# KiCad board ABG-K7072.kicad_pcb (continued)
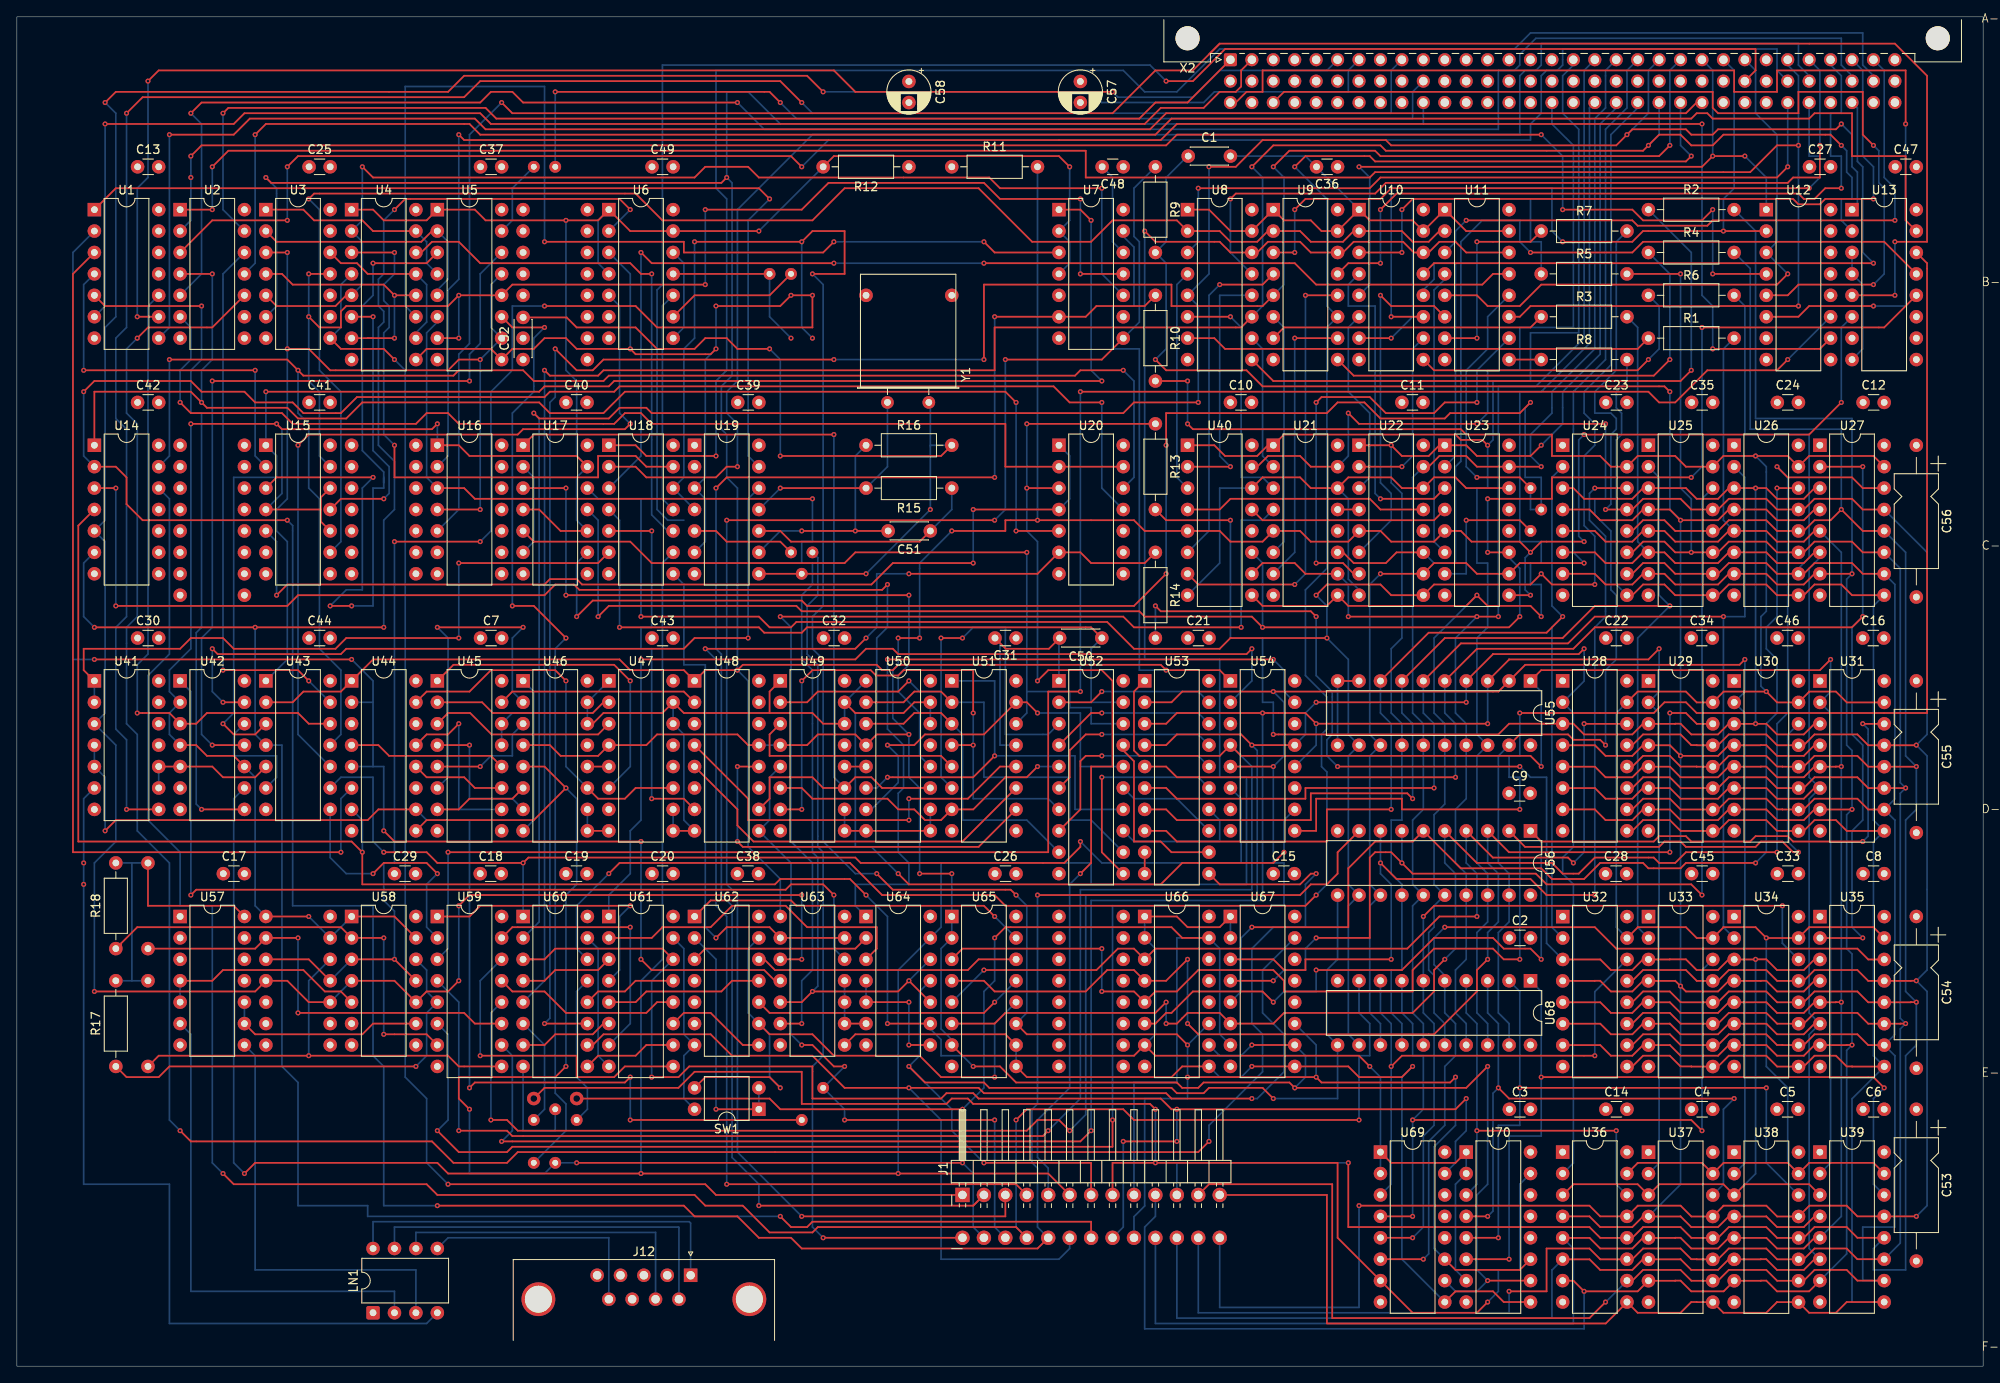
[diagram p0: board, top side]
## Nets
+5V: C2.1 C3.1 C4.1 C5.1 C6.1 C7.1 C8.1 C9.1 C10.1 C11.1 C12.1 C13.1 C14.1 C15.1 C16.1 C17.1 C18.1 C19.1 C20.1 C21.1 C22.1 C23.1 C24.1 C25.1 C26.1 C27.1 C28.1 C29.1 C30.1 C31.1 C32.1 C33.1 C34.1 C35.1 C36.1 C37.1 C38.1 C39.1 C40.1 C41.1 C42.1 C43.1 C44.1 C45.1 C46.1 C47.1 C48.1 C49.1 C53.1 C54.1 C55.1 C56.1 C57.1 C58.1 NOREF#46. NOREF#53. NOREF#77. R11.1 R12.1 R17.2 R18.2 U1.14 U2.14 U3.14 U4.16 U5.16 U6.14 U7.14 U8.16 U9.16 U10.16 U11.16 U12.16 U13.16 U14.14 U15.14 U16.14 U17.14 U18.14 U19.14 U20.14 U21.16 U22.16 U23.16 U24.16 U25.16 U26.16 U27.16 U28.16 U29.16 U30.16 U31.16 U32.16 U33.16 U34.16 U35.16 U36.16 U37.16 U38.16 U39.16 U40.16 U41.14 U42.14 U43.14 U44.16 U45.16 U46.16 U47.16 U48.16 U49.16 U50.16 U51.16 U52.20 U53.20 U54.16 U55.20 U56.20 U57.14 U58.14 U59.16 U60.16 U61.16 U62.14 U63.14 U64.14 U65.16 U66.16 U67.16 U68.20 U69.16 U70.16 X2.a11 X2.a12 X2.a14 X2.a15 X2.c24 X2.c25
GND: C1.2 C2.2 C3.2 C4.2 C5.2 C6.2 C7.2 C8.2 C9.2 C10.2 C11.2 C12.2 C13.2 C14.2 C15.2 C16.2 C17.2 C18.2 C19.2 C20.2 C21.2 C22.2 C23.2 C24.2 C25.2 C26.2 C27.2 C28.2 C29.2 C30.2 C31.2 C32.2 C33.2 C34.2 C35.2 C36.2 C37.2 C38.2 C39.2 C40.2 C41.2 C42.2 C43.2 C44.2 C45.2 C46.2 C47.2 C48.2 C49.2 C50.2 C52.1 C53.2 C54.2 C55.2 C56.2 C57.2 C58.2 J4.1 J12.2 LN1.1 SW1.4 U1.7 U2.7 U3.7 U4.8 U5.8 U6.7 U7.7 U7.12 U8.1 U8.8 U8.15 U9.1 U9.8 U9.15 U10.1 U10.8 U10.15 U11.1 U11.8 U11.15 U12.8 U13.3 U13.4 U13.8 U14.7 U15.7 U16.7 U17.7 U18.7 U19.7 U20.7 U21.8 U21.14 U22.8 U22.14 U23.8 U23.14 U24.8 U25.8 U26.8 U27.8 U28.8 U29.8 U30.8 U31.8 U32.8 U33.8 U34.8 U35.8 U36.8 U37.8 U38.8 U39.8 U40.8 U40.14 U41.7 U42.7 U43.7 U44.8 U45.8 U45.13 U45.14 U46.1 U46.8 U46.9 U46.10 U46.14 U46.15 U47.1 U47.8 U47.9 U47.10 U47.14 U47.15 U48.8 U49.1 U49.8 U49.9 U49.10 U49.14 U49.15 U50.1 U50.8 U50.9 U50.10 U50.14 U50.15 U51.8 U51.13 U52.1 U52.10 U53.9 U53.10 U54.8 U55.9 U55.10 U55.11 U56.10 U57.7 U58.7 U59.8 U60.8 U60.15 U61.8 U61.15 U62.7 U63.7 U64.7 U65.8 U66.8 U67.8 U68.10 U69.8 U70.8 X2.b2 X2.b6 X2.b9 X2.b13 X2.b17 X2.b20 X2.b23 X2.b26 X2.b29 X2.b32
-IO_0x22h: U13.14 U54.9
-IO_0x23h: U2.11 U13.15
-IORQ: U12.5 X2.c3
-M1: U12.6 X2.c1
-MREQ: U1.9 X2.a6
-MSEL0: U2.3 X2.b27
-MSEL1: U18.2 X2.b28
-MSEL2: U2.5 X2.b30
-MSEL3: U18.1 X2.b31
-NMI: NOREF#14. NOREF#47. U14.5 U41.3 U58.4 U58.10 U63.3 X2.a7
-RD: U2.13 X2.a1
-RESET: U3.6 U7.13 U43.2 U44.1 U48.1 U54.1 U63.1 X2.c10
-WAIT: U41.8 X2.a9
-WR: U1.6 X2.a2
/-A0: U8.5 U13.1 U60.2 X2.a21
/-A1: U8.11 U13.2 U60.5 X2.c21
/-A2: U9.5 U60.11 X2.a22
/-A3: U9.11 U60.14 X2.c22
/-A4: U10.5 U12.1 X2.a23
/-A5: U10.11 U12.2 X2.a24
/-A6: U11.5 U12.3 X2.a25
/-A7: U2.1 U11.11 X2.a27
/-A8: U8.3 X2.c27
/-A9: U8.13 X2.a28
/-A10: U9.3 X2.c28
/-A11: U9.13 X2.a29
/-A12: U10.3 X2.a30
/-A13: U10.13 X2.c30
/-A14: U11.3 X2.a31
/-D0: U21.15 U40.15 U55.19 U56.19 U68.19 X2.c16
/-D1: U21.1 U40.1 U55.18 U56.18 U68.18 X2.a17
/-D2: U21.10 U40.10 U55.17 U56.17 U68.17 X2.a18
/-D3: U21.9 U40.9 U55.16 U56.16 U68.16 X2.c18
/-D4: U22.15 U23.15 U55.15 U56.15 U68.15 X2.a19
/-D5: U22.1 U23.1 U55.14 U56.14 U68.14 X2.c19
/-D6: U22.10 U23.10 U55.13 U56.13 U68.13 X2.a20
/-D7: U17.12 U22.9 U55.12 U56.12 U68.12 X2.c20
/-IO_0x20h: U13.12 U17.11 U23.11 U40.11
/-IO_0x21h: U13.13 U21.11 U22.11
/-IO_0x30h-3Fh: U12.11 U59.3
/IDI0: U31.2 U39.2 U53.1 U54.4 U55.1 U59.4
/IDI1: U30.2 U38.2 U53.2 U54.5 U55.2 U59.6
/IDI2: U29.2 U37.2 U53.3 U54.12 U55.3 U59.10
/IDI3: U28.2 U36.2 U53.4 U54.13 U55.4 U59.12
/IDI4: U27.2 U35.2 U53.5 U55.5
/IDI5: U26.2 U34.2 U53.6 U55.6
/IDI6: U25.2 U33.2 U53.7 U55.7
/IDI7: U24.2 U32.2 U53.8 U55.8
/IDO0: U39.14 U68.1 U70.6
/IDO1: U38.14 U68.2 U70.5
/IDO2: U37.14 U68.3 U70.4
/IDO3: U36.14 U68.4 U70.3
/IDO4: U35.14 U68.5 U69.6
/IDO5: U34.14 U68.6 U69.5
/IDO6: U33.14 U68.7 U69.4
/IDO7: U32.14 U68.8 U69.3
/IDO8: U31.14 U56.1 U66.6
/IDO9: U30.14 U56.2 U65.3 U66.5
/IDO10: U29.14 U56.3 U65.4 U66.4
/IDO11: U28.14 U56.4 U65.5 U66.3
/IDO12: U27.14 U56.5 U65.6 U67.6
/IDO13: U26.14 U56.6 U67.5
/IDO14: U25.14 U56.7 U67.4
/IDO15: U24.14 U56.8 U67.3
/LineCtrReset: U48.12 U51.10
AdMuxA: J1.b6 U8.14 U9.14 U10.14 U11.14 U18.9 U42.9 U64.13
AdMuxB: U8.2 U9.2 U10.2 U11.2 U15.9
BLINK: U54.15 U64.1
CAS: R10.2 U24.15 U25.15 U26.15 U27.15 U28.15 U29.15 U30.15 U31.15 U32.15 U33.15 U34.15 U35.15 U36.15 U37.15 U38.15 U39.15
CLK1: NOREF#32. NOREF#35. U4.9 U5.9 U6.3 U19.3 U19.6 U58.3 U58.11
CLK2: J1.a9 U18.12 U19.4 U65.11 U66.11 U67.11 U69.11 U70.11
GRAF: U54.2 U61.1
H1: R11.2 U13.6 U21.5 U22.5 U23.5 U23.9 U40.5 U46.4 U47.4 U48.13 U49.4 U50.4 U65.1 U65.2 U65.7 U66.1 U66.2 U66.7 U67.1 U67.2 U69.1 U69.2 U70.1 U70.2 U70.7
H2: NOREF#9. R12.2 U4.1 U5.1 U6.1 U6.4 U6.13 U7.2 U7.4 U15.4 U15.10 U15.12 U16.1 U17.4 U17.10 U17.13 U42.2 U42.4 U42.10 U58.1 U58.13
IA0: J1.a10 R1.2 U24.5 U25.5 U26.5 U27.5 U28.5 U29.5 U30.5 U31.5 U32.5 U33.5 U34.5 U35.5 U36.5 U37.5 U38.5 U39.5
IA1: J1.b10 R2.2 U24.7 U25.7 U26.7 U27.7 U28.7 U29.7 U30.7 U31.7 U32.7 U33.7 U34.7 U35.7 U36.7 U37.7 U38.7 U39.7
IA2: J1.a11 R3.2 U24.6 U25.6 U26.6 U27.6 U28.6 U29.6 U30.6 U31.6 U32.6 U33.6 U34.6 U35.6 U36.6 U37.6 U38.6 U39.6
IA3: J1.b11 R4.2 U24.12 U25.12 U26.12 U27.12 U28.12 U29.12 U30.12 U31.12 U32.12 U33.12 U34.12 U35.12 U36.12 U37.12 U38.12 U39.12
IA4: J1.a12 R5.2 U24.11 U25.11 U26.11 U27.11 U28.11 U29.11 U30.11 U31.11 U32.11 U33.11 U34.11 U35.11 U36.11 U37.11 U38.11 U39.11
IA5: J1.b12 R6.2 U24.10 U25.10 U26.10 U27.10 U28.10 U29.10 U30.10 U31.10 U32.10 U33.10 U34.10 U35.10 U36.10 U37.10 U38.10 U39.10
IA6: J1.a13 R7.2 U24.13 U25.13 U26.13 U27.13 U28.13 U29.13 U30.13 U31.13 U32.13 U33.13 U34.13 U35.13 U36.13 U37.13 U38.13 U39.13
IA7: J1.b13 R8.2 U24.9 U25.9 U26.9 U27.9 U28.9 U29.9 U30.9 U31.9 U32.9 U33.9 U34.9 U35.9 U36.9 U37.9 U38.9 U39.9
J1A1: J1.a1 J9.1
J1A2: J1.a2 J10.1 U44.9 U46.5
J1A4: J1.a4 U14.12 U68.9
J1A6: J1.a6 U60.10 U67.15
J1A7: J1.a7 U6.2 U14.6 U43.4
J1B1: J1.b1 U3.8 U4.4
J1B2: J1.b2 R10.1 U7.6
J1B3: J1.b3 R9.1 U7.8
J1B4: J1.b4 R14.1 U20.6
J1B5: J1.b5 R13.1 U20.3
J1B8: J1.b8 U69.7 U70.15
J1B9: J1.b9 U66.15 U67.7
KGS-MEM: U1.8 X2.c23
LineCLK: J1.a3 J5.1 U48.9 U49.5
PALP: U43.9 U54.6 U60.1
RAS: C1.1 R9.2 U24.4 U25.4 U26.4 U27.4 U28.4 U29.4 U30.4 U31.4 U32.4 U33.4 U34.4 U35.4 U36.4 U37.4 U38.4 U39.4
SYNCACCESS: U14.3 U54.10
U4F4N: U4.14 U18.10
U5F3: U3.3 U5.10 U5.13 U16.4 U43.1
U5F4N: U5.14 U42.11
U15AD: U1.4 U15.2
U44Q2N: U1.3 U44.6
U56CS: J1.a5 U14.2 U20.11 U56.9
U59DO2: NOREF#5. NOREF#38.
U59DO3: NOREF#18. NOREF#54.
U62Q3: U62.3 U64.2
U62Q8: U61.11 U62.8
U62Q11: U61.5 U62.11
U63E4: U1.2 U44.2 U44.5 U63.4
U64E12: U5.6 U16.3 U63.5 U64.10 U64.12
U69Q0: J1.a8 U60.3 U61.14 U69.15
WE0: R13.2 U24.3 U25.3 U26.3 U27.3 U28.3 U29.3 U30.3 U31.3
WE1: R14.2 U32.3 U33.3 U34.3 U35.3 U36.3 U37.3 U38.3 U39.3
X2B10: J14.1 X2.b10
X2B25: X2.b25
Net-(C50-Pad1): C50.1 U18.4 U52.19
Net-(C51-Pad1): C51.1 R15.1 U19.10
Net-(C51-Pad2): C51.2 R16.1 U19.9
Net-(J1-Pin_b7): J1.b7 U56.11 U64.11 U68.11
Net-(J2-Pin_1): J2.1 U60.13
Net-(J3-Pin_1): J3.1 U5.11
Net-(J6-Pin_1): J6.1 U41.4 U41.5 U44.10
Net-(J7-Pin_1): C52.2 J7.1 R16.2 U19.8 Y1.1
Net-(J11-Pin_1): J11.1 U60.6
Net-(J12-Pad1): J12.1 LN1.8
Net-(J12-Pad6): J12.6 LN1.7
Net-(J12-Pad7): J12.7 LN1.6
Net-(J12-Pad9): J12.9 LN1.5
Net-(J13-Pin_1): J13.1 U5.15
Net-(LN1-Pad2): LN1.2 U57.6
Net-(LN1-Pad3): LN1.3 U57.8
Net-(LN1-Pad4): LN1.4 U41.6
Net-(R15-Pad2): R15.2 U19.11 Y1.2
Net-(SW1-Pad1): SW1.1 SW1.2 U62.2
Net-(TP4-Pad1): TP4.1 U6.9
Net-(TP5-Pad1): TP5.1 U6.11
Net-(U1-Pad1): U1.1 U19.13
Net-(U1-Pad5): U1.5 U42.8
Net-(U1-Pad10): U1.10 U42.3 U43.12
Net-(U2-Pad6): U2.6 U20.2 U20.13
Net-(U2-Pad12): U2.12 U43.13
Net-(U4-D2): U3.5 U4.2 U4.5 U7.10
Net-(U4-D3): U3.4 U4.7 U4.12
Net-(U4-D4): U3.12 U4.10 U4.13
Net-(U4-F3-Pad11): U4.11 U7.3
Net-(U5-D1): U3.1 U4.15 U5.4
Net-(U5-D2): U3.2 U5.2 U5.5
Net-(U5-D3): U3.11 U5.7 U5.12 U7.11 U15.13
Net-(U6-Pad12): U6.8 U6.12
Net-(U8-1Y): R1.1 U8.7
Net-(U8-2C0): U8.10 U21.2
Net-(U8-2C2): U8.12 U40.2
Net-(U8-2Y): R2.1 U8.9
Net-(U9-1Y): R3.1 U9.7
Net-(U9-2Y): R4.1 U9.9
Net-(U10-1C0): U10.6 U22.3
Net-(U10-1C2): U10.4 U23.3
Net-(U10-1Y): R5.1 U10.7
Net-(U10-2C0): U10.10 U22.2
Net-(U10-2C2): U10.12 U23.2
Net-(U10-2Y): R6.1 U10.9
Net-(U11-1C0): U11.6 U22.6
Net-(U11-1C2): U11.4 U23.6
Net-(U11-1Y): R7.1 U11.7
Net-(U11-2C0): U11.10 U22.7
Net-(U11-2C2): TP1.1 TP3.1 U11.12 U17.9
Net-(U11-2C3): U11.13 U18.3
Net-(U11-2Y): R8.1 U11.9
Net-(U12-E1): U2.2 U12.4
Net-(U12-O5): U12.10 U16.2
Net-(U13-E2): U13.5 U16.5
Net-(U14-Pad1): U2.4 U14.1 U20.5
Net-(U14-Pad13): U14.13 U20.12 U43.11
Net-(U15-Pad1): U7.1 U15.1 U43.3
Net-(U15-Pad3): U5.3 U15.3
Net-(U15-Pad5): U15.5 U20.1 U20.4
Net-(U15-Pad11): U4.6 U15.11
Net-(U17-Pad2): U17.2 U17.6
Net-(U18-Pad5): U18.5 U48.7
Net-(U18-Pad6): U18.6 U41.1 U41.2
Net-(U18-Pad8): U18.8 U63.2 U63.13
Net-(U18-Pad11): U6.10 U18.11
Net-(U18-Pad13): U4.3 U18.13
Net-(U19-Pad12): U19.12 U42.13
Net-(U21-1): U8.6 U21.3
Net-(U21-3): U9.6 U21.6
Net-(U21-4): U9.10 U21.7
Net-(U21-P2): U21.13 U22.4
Net-(U21-T2): U21.4 U63.6
Net-(U22-P2): U22.13 U40.4
Net-(U23-4): TP2.1 U23.7
Net-(U23-T2): U23.4 U40.13
Net-(U40-1): U8.4 U40.3
Net-(U40-3): U9.4 U40.6
Net-(U40-4): U9.12 U40.7
Net-(U41-Pad10): U41.9 U41.10 U42.5 U43.5
Net-(U42-Pad1): U42.1 U63.12
Net-(U42-Pad12): U42.12 U43.6
Net-(U43-Pad10): U6.5 U43.10
Net-(U44-D1): U44.4 U45.12
Net-(U44-D3): U44.12 U45.11
Net-(U44-D4): U44.13 U45.10
Net-(U45-A0): U45.5 U46.3
Net-(U45-A1): U45.6 U46.2
Net-(U45-A2): U45.7 U46.6
Net-(U45-A3): U45.4 U46.7
Net-(U45-A4): U45.3 U47.3
Net-(U45-A5): U45.2 U47.2
Net-(U45-A6): U45.1 U47.6
Net-(U45-A7): U45.15 U48.2
Net-(U46-L): U44.15 U46.11 U47.11
Net-(U46-P1): U46.12 U47.5
Net-(U48-D1): U48.4 U51.12
Net-(U48-D2): U48.5 U51.11
Net-(U49-1): U49.3 U51.5
Net-(U49-3): U49.6 U51.7 U52.5
Net-(U49-4): U49.7 U51.4 U52.7
Net-(U49-L): U17.1 U48.10 U49.11 U50.11
Net-(U49-P1): U49.12 U50.5
Net-(U50-1): U50.3 U51.3 U52.9
Net-(U50-3): U50.6 U51.1 U52.14
Net-(U50-4): U50.7 U51.15 U52.16
Net-(U50-P1): U17.3 U50.12
Net-(U51-A1): U49.2 U51.6 U52.3
Net-(U51-A5): U50.2 U51.2 U52.12
Net-(U51-A8): U17.5 U51.14 U52.18
Net-(U52-A0): U52.2 U53.19
Net-(U52-A1): U52.4 U53.18
Net-(U52-A2): U52.6 U53.17
Net-(U52-A3): U52.8 U53.16
Net-(U52-A4): U52.11 U53.15
Net-(U52-A5): U52.13 U53.14
Net-(U52-A6): U52.15 U53.13
Net-(U52-A7): U52.17 U53.12
Net-(U53-STB): U2.10 U53.11
Net-(U57-Pad4): U57.4 U57.5 U58.5
Net-(U57-Pad10): U57.9 U57.10 U58.9
Net-(U59-A0): U59.1 U61.4
Net-(U59-A1): U59.15 U61.7
Net-(U59-A2): U59.14 U61.9
Net-(U59-A3): U59.13 U61.12
Net-(U59-CS): U43.8 U59.2
Net-(U59-DO0): R17.1 U58.12 U59.5
Net-(U59-DO1): R18.1 U58.2 U59.7
Net-(U60-0): U60.4 U61.3
Net-(U60-1): U60.7 U61.6
Net-(U60-2): U60.9 U61.10
Net-(U60-3): U60.12 U61.13
Net-(U61-A0): U61.2 U64.3
Net-(U63-Pad10): U63.9 U63.10 U63.11 U64.6
Net-(U64-Pad4): U64.4 U64.5 U64.8
Net-(U65-0): U62.1 U65.15
Net-(U65-1): U62.12 U65.14
Net-(U65-2): U62.10 U65.13
Net-(U65-3): SW1.3 U62.9 U62.13 U65.12
Net-(U65-M0): U63.8 U65.9 U65.10 U66.9 U67.9 U69.9 U70.9
Net-(U66-M1): U14.4 U44.7 U64.9 U66.10 U67.10 U69.10 U70.10

Pads without a net: J8 1; J12 0 3 4 5 8; U1 11 12 13; U2 8 9; U3 9 10 13; U6 6; U7 5 9; U12 7 9 12 13 14 15; U13 7 9 10 11; U14 8 9 10 11; U15 6 8; U16 6 8 9 10 11 12 13; U17 8; U19 1 2 5; U20 8 9 10; U21 12; U22 12; U23 12 13; U24 1; U25 1; U26 1; U27 1; U28 1; U29 1; U30 1; U31 1; U32 1; U33 1; U34 1; U35 1; U36 1; U37 1; U38 1; U39 1; U40 12; U41 11 12 13; U42 6; U44 3 11 14; U45 9; U46 13; U47 7 12 13; U48 3 6 11 14 15; U49 13; U50 13; U51 9; U54 3 7 11 14; U57 1 2 3 11 12 13; U58 6 8; U59 9 11; U62 4 5 6; U66 12 13 14; U67 12 13 14; U69 12 13 14; U70 12 13 14; X2 a3 a4 a5 a8 a10 a13 a16 a26 a32 b1 b3 b4 b5 b7 b8 b11 b12 b14 b15 b16 b18 b19 b21 b22 b24 c2 c4 c5 c6 c7 c8 c9 c11 c12 c13 c14 c15 c17 c26 c29 c31 c32

## Via types
v1: diameter 0.6, hole 0.3, Top to Bottom, 554 vias
v2: diameter 1.6, hole 0.8, Top to Bottom, 2 vias

## Routing (per net, layer and track width the routed paths; a pad name or vN(x,y) marks a point on that pad's centre or on a via; arc(x,y) is an arc through that point)
+5V: length 38.6
  Top w0.2: 15.53,59.67 15.53,54.59 25.69,54.59 U57.14
  Bottom w0.2: 13.63,45.7 R17.2 ; 13.63,45.7 13.63,59.67 ; 13.63,45.7 15.53,45.7 ; 13.63,59.67 15.53,59.67 ; 13.63,59.67 R18.2
GND: length 378.2
  Top w0.2: U11.15 171.75,134.6 U11.1 U10.15 165.4,135.87 160.31,135.87 U10.1 U9.15 154.6,134.6 153.33,135.87 150.16,135.87 U9.1 U8.15 143.81,134.6 141.26,137.14 U8.1 ; U50.9 U50.8 U49.9 ; U47.9 U48.8 ; U46.14 68.24,76.18 69.51,77.45 76.5,77.45 U47.15 79.03,77.45 89.19,77.45 ; U49.14 95.54,76.18 94.28,77.45 89.19,77.45 ; C50.2 122.29,85.07 117.18,85.07 C31.2 ; U55.10 U55.9 ; U50.15 106.34,78.72 105.07,77.45 99.35,77.45 U49.15 ; 89.19,77.45 89.19,79.99 U49.1 ; U53.10 U53.9 ; U46.9 U47.8 ; U40.14 147.62,105.39 152.06,105.39 153.33,104.12 U21.14 157.78,105.39 162.85,105.39 164.12,104.12 U22.14 167.94,105.39 170.47,105.39 171.75,104.12 U23.14
  Bottom w0.2: U60.15 68.88,49.51 68.88,36.81 U61.8 ; U61.15 79.03,49.51 79.03,39.35 U62.7 79.03,36.81 79.03,31.73 SW1.4 ; U51.13 116.5,73.64 116.5,85.74 C31.2 ; C48.2 129.84,140.99 129.84,133.33 U7.12 ; U46.9 U46.10 ; U46.1 61.25,79.99 61.25,77.45 ; U52.1 123.48,86.26 C50.2 ; 61.25,77.45 58.72,77.45 U45.14 U45.13 ; 61.25,77.45 61.25,64.75 U46.8 ; U13.3 U13.4 218.73,128.25 218.73,120.63 U13.8 ; U47.9 U47.10 ; U60.8 59.98,27.92 63.8,27.92 J4.1 ; U48.8 79.03,64.75 79.03,74.91 U47.14 U47.15 ; U49.9 U49.10 ; U46.14 U46.15 U47.1 ; U50.1 U49.15 U49.14 ; U55.10 U55.11 ; U22.8 159.04,92.05 157.78,93.33 157.78,102.85 U21.14 ; U10.1 152.69,143.49 C1.2 ; U40.14 142.53,104.12 142.53,95.23 U40.8 ; U50.15 U50.14 ; U50.9 U50.10
-IO_0x22h: length 150.2
  Top w0.2: v1(178.09,66.02) 164.12,66.02 164.12,67.29 153.97,67.29 153.97,63.48 U54.9 ; U13.14 226.35,130.79 226.35,77.45 199.05,77.45 197.78,78.72 195.24,78.72 193.97,77.45 v1(178.09,77.45)
  Bottom w0.2: v1(178.09,77.45) 178.09,72.37 176.82,72.37 176.82,69.83 178.09,69.83 v1(178.09,66.02)
-IO_0x23h: length 229.7
  Top w0.2: v1(28.23,146.03) 29.5,147.3 53.64,147.3 54.91,146.03 134.91,146.03 136.82,147.94 198.41,147.94 199.05,148.57 200.32,148.57 200.96,147.94 212.39,147.94 213.02,148.57 217.47,148.57 217.47,143.49 223.82,143.49 223.82,135.87 U13.15
  Bottom w0.2: v1(28.23,146.03) 28.23,130.79 U2.11
-IORQ: length 112.7
  Top w0.2: v1(220.01,144.76) 218.73,146.03 218.73,151.11 211.12,151.11 211.12,148.57 201.59,148.57 200.96,149.2 200.96,151.11 150.16,151.11 X2.c3 ; U12.5 209.84,126.98 211.12,128.25 v1(220.01,128.25)
  Bottom w0.2: v1(220.01,144.76) 220.64,144.12 220.64,140.31 221.28,139.68 221.28,129.52 v1(220.01,128.25)
-M1: length 133.1
  Top w0.2: v1(220.01,125.71) 212.39,125.71 211.12,124.44 U12.6 ; X2.c1 144.44,149.84 145.71,151.11 147.62,151.11 147.62,153.65 203.5,153.65 203.5,151.11 208.57,151.11 208.57,153.65 223.82,153.65 v1(223.82,147.3)
  Bottom w0.2: v1(223.82,147.3) 223.82,125.71 v1(220.01,125.71)
-MREQ: length 175.7
  Top w0.2: v1(129.84,151.11) 99.35,151.11 96.81,153.65 16.8,153.65 v1(15.53,152.38) ; v1(14.27,124.44) U1.9
  Bottom w0.2: v1(15.53,152.38) 15.53,140.95 14.27,139.68 v1(14.27,124.44) ; v1(129.84,151.11) 130.47,150.47 139.36,150.47 142.53,153.65 155.23,153.65 X2.a6
-MSEL0: length 213.2
  Top w0.2: v1(32.05,142.22) 33.31,143.49 91.73,143.49 v1(93,142.22) ; v1(32.05,135.87) 23.16,135.87 U2.3
  Bottom w0.2: v1(32.05,142.22) v1(32.05,135.87) ; X2.b27 208.57,153.65 208.57,156.19 183.18,156.19 183.18,154.28 182.54,153.65 181.27,153.65 180.63,153.01 180.63,148.57 179.37,147.3 179.37,145.39 96.18,145.39 v1(93,142.22)
-MSEL1: length 192.3
  Top w0.2: v1(85.38,106.66) 84.12,106.66 82.84,105.39 74.59,105.39 73.32,106.66 U18.2
  Bottom w0.2: v1(85.38,106.66) 85.38,111.74 84.12,113.01 84.12,115.55 85.38,116.82 85.38,137.14 94.28,146.03 178.09,146.03 178.09,153.01 178.73,153.65 180,153.65 180.63,154.28 180.63,156.82 211.12,156.82 211.12,154.28 212.39,153.01 X2.b28
-MSEL2: length 236.6
  Top w0.2: v1(85.38,149.84) 59.98,149.84 58.72,151.11 56.17,151.11 54.91,149.84 21.89,149.84 v1(20.61,148.57)
  Bottom w0.2: U2.5 21.89,129.52 21.89,147.3 v1(20.61,148.57) ; X2.b30 217.47,153.01 216.2,154.28 216.2,157.46 180,157.46 178.09,155.56 178.09,154.28 177.46,153.65 175.56,153.65 175.56,146.66 88.56,146.66 v1(85.38,149.84)
-MSEL3: length 206.7
  Top w0.2: U18.1 73.32,109.2 74.59,107.93 v1(82.84,107.93)
  Bottom w0.2: 82.84,116.82 v1(82.84,107.93) ; 82.84,116.82 82.84,116.19 ; 82.84,116.82 84.12,118.09 84.12,138.41 82.84,139.68 82.84,153.65 131.1,153.65 133.65,151.11 137.46,151.11 142.53,156.19 177.46,156.19 179.37,158.09 218.73,158.09 218.73,154.28 220.01,153.01 X2.b31
-NMI: length 373.5
  Top w0.2: v1(93,48.24) U63.3 ; v1(52.36,54.59) 53.64,55.86 v1(93,55.86) ; v1(10.45,149.84) 11.73,151.11 51.09,151.11 53,153.01 93.64,153.01 v1(95.54,151.11) ; U58.4 44.75,45.7 U58.10 48.55,44.43 51.09,44.43 v1(52.36,45.7) ; v1(9.19,44.43) 28.23,44.43 29.5,45.7 32.05,45.7 34.58,43.16 37.12,43.16
  Bottom w0.2: U58.4 37.12,43.16 ; v1(52.36,54.59) v1(52.36,45.7) ; 10.45,97.77 U14.5 10.45,100.31 10.45,123.17 11.73,124.44 11.73,148.57 v1(10.45,149.84) ; 10.45,97.77 10.45,77.45 U41.3 11.73,73.64 11.73,62.21 9.19,59.67 v1(9.19,44.43) ; 10.45,97.77 10.14,98.09 ; X2.a7 157.78,153.65 157.78,151.11 141.9,151.11 140.63,149.84 128.56,149.84 127.29,151.11 v1(95.54,151.11) ; v1(93,48.24) v1(93,55.86)
-RD: length 138.1
  Top w0.2: v1(24.42,148.57) 25.06,149.2 55.54,149.2 56.81,147.94 133.01,147.94 134.91,149.84 138.72,149.84 X2.a1
  Bottom w0.2: v1(24.42,148.57) 24.42,137.14 U2.13
-RESET: length 441.9
  Top w0.2: v1(84.12,140.95) 83.48,140.31 30.14,140.31 v1(29.5,140.95) ; U43.2 32.68,78.72 33.95,79.99 38.39,79.99 U44.1 42.2,83.8 71.41,83.8 72.69,82.53 79.03,82.53 U48.1 81.58,82.53 v1(85.38,82.53) 86.02,83.16 101.9,83.16 102.53,82.53 103.8,82.53 104.44,83.16 135.55,83.16 v1(136.19,82.53) 142.53,82.53 U54.1
  Bottom w0.2: v1(29.5,140.95) 30.78,139.68 30.78,125.71 U3.6 ; U63.1 90.47,57.76 86.66,61.57 86.66,81.26 v1(85.38,82.53) 85.38,104.12 84.12,105.39 84.12,110.47 83.48,111.1 83.48,116.19 84.75,117.45 84.75,140.31 v1(84.12,140.95) 84.12,151.11 86.66,151.11 90.47,147.3 166.66,147.3 X2.c10 ; v1(136.19,82.53) 133.01,82.53 133.01,120.63 129.84,120.63 129.84,125.71 132.38,125.71 132.38,132.69 131.1,133.97 U7.13
-WAIT: length 248.4
  Top w0.2: v1(12.99,148.57) 14.9,150.47 53,150.47 54.91,152.38 90.47,152.38 v1(93,149.84) ; v1(12.99,66.02) U41.8
  Bottom w0.2: v1(12.99,148.57) 12.99,123.17 11.73,121.9 11.73,112.38 12.99,111.1 12.99,88.88 11.73,87.61 11.73,75.55 12.99,74.27 v1(12.99,66.02) ; X2.a9 162.85,153.65 162.85,148.57 94.28,148.57 v1(93,149.84)
-WR: length 164.6
  Top w0.2: X2.a2 145.07,153.65 145.07,151.75 144.44,151.11 142.53,151.11 140.63,149.2 135.55,149.2 133.65,147.3 56.17,147.3 54.91,148.57 26.97,148.57 25.69,147.3 v1(10.45,147.3)
  Bottom w0.2: U1.6 10.45,125.71 v1(10.45,147.3)
/-A0: length 272.9
  Top w0.2: v1(216.2,147.3) 215.56,146.66 201.59,146.66 200.96,146.03 198.41,146.03 197.78,146.66 191.43,146.66 v1(190.79,146.03) 189.53,144.76 162.85,144.76 162.22,145.39 147.62,145.39 144.44,142.22 v1(141.26,142.22) ; v1(140,114.28) 132.38,114.28 131.1,113.01 75.22,113.01 74.59,113.64 71.41,113.64 70.14,112.38 61.89,112.38 v1(61.25,113.01)
  Bottom w0.2: v1(141.26,142.22) 141.26,129.52 U8.5 140,125.71 v1(140,114.28) ; v1(216.2,147.3) 217.47,146.03 217.47,142.22 218.1,141.58 218.1,137.77 U13.1 ; v1(190.79,146.03) 193.34,148.57 193.34,153.65 X2.a21 ; v1(61.25,113.01) 61.89,112.38 61.89,52.69 U60.2
/-A1: length 276.4
  Top w0.2: v1(146.34,142.22) 148.88,144.76 161.59,144.76 162.22,144.12 192.7,144.12 v1(193.34,144.76) 194.6,146.03 197.15,146.03 198.41,144.76 200.96,144.76 202.22,146.03 214.92,146.03 v1(216.2,144.76) ; U8.11 145.07,123.17 115.87,123.17 115.87,118.09 69.51,118.09 68.88,117.45 63.16,117.45 v1(62.53,118.09)
  Bottom w0.2: U8.11 147.62,125.71 147.62,140.95 v1(146.34,142.22) ; X2.c21 194.6,146.03 v1(193.34,144.76) ; U13.2 216.2,135.87 216.2,138.41 217.47,138.41 217.47,140.95 216.83,141.58 216.83,144.12 v1(216.2,144.76) ; U60.5 62.53,45.7 v1(62.53,118.09)
/-A2: length 259.8
  Top w0.2: v1(114.59,119.36) 114.59,128.25 136.82,128.25 136.82,125.71 147.62,125.71 U9.5 ; v1(148.88,142.22) 150.79,144.12 160.95,144.12 161.59,143.49 194.6,143.49 v1(195.88,144.76) ; v1(62.53,40.62) U60.11 ; v1(63.8,120.63) 66.33,118.09 68.24,118.09 69.51,119.36 v1(96.81,119.36)
  Bottom w0.2: X2.a22 195.88,153.65 v1(195.88,144.76) ; v1(63.8,120.63) 63.8,114.91 63.16,114.28 63.16,41.25 v1(62.53,40.62) ; v1(114.59,119.36) v1(96.81,119.36) ; U9.5 150.16,128.25 150.16,140.95 v1(148.88,142.22)
/-A3: length 246.3
  Top w0.2: v1(153.97,55.86) 152.69,54.59 117.13,54.59 115.87,55.86 102.53,55.86 98.72,59.67 71.41,59.67 v1(70.14,58.4) ; v1(198.41,143.49) 197.78,142.85 160.95,142.85 160.31,143.49 152.69,143.49 v1(151.43,142.22)
  Bottom w0.2: v1(198.41,143.49) 197.15,144.76 X2.c22 ; U60.14 66.33,49.51 66.33,54.59 v1(70.14,58.4) ; v1(153.97,55.86) 155.23,57.13 155.23,70.47 154.6,71.1 154.6,74.91 155.23,75.55 155.23,79.35 152.69,81.89 152.69,92.05 155.23,94.59 155.23,123.17 U9.11 155.23,125.71 155.23,138.41 v1(151.43,142.22)
/-A4: length 81.9
  Top w0.2: v1(159.04,142.22) 199.69,142.22 v1(200.96,143.49) v1(204.76,143.49)
  Bottom w0.2: v1(204.76,143.49) 207.31,140.95 U12.1 ; U10.5 160.31,128.25 160.31,140.95 v1(159.04,142.22) ; X2.a23 200.96,153.65 v1(200.96,143.49)
/-A5: length 91
  Top w0.2: v1(183.18,133.33) 191.43,133.33 192.7,134.6 v1(202.22,134.6) U12.2 ; v1(162.85,124.44) U10.11
  Bottom w0.2: v1(162.85,124.44) 162.85,139.68 181.91,139.68 181.91,134.6 v1(183.18,133.33) ; X2.a24 203.5,153.65 203.5,139.68 202.22,138.41 v1(202.22,134.6)
/-A6: length 71.3
  Top w0.2: v1(209.84,129.52) 208.57,128.25 180.63,128.25 178.09,125.71 174.28,125.71 173.01,126.98 U11.5
  Bottom w0.2: X2.a25 206.03,153.65 206.03,148.57 208.57,146.03 208.57,133.33 U12.3 v1(209.84,129.52)
/-A7: length 266.9
  Top w0.2: v1(23.16,142.22) 25.06,144.12 126.66,144.12 126.66,140.95 160.31,140.95 160.95,141.58 205.4,141.58 208.57,144.76 v1(211.12,144.76) ; v1(211.12,125.71) 179.37,125.71 178.09,124.44 U11.11 ; v1(23.16,137.14) U2.1
  Bottom w0.2: X2.a27 209.84,154.28 211.12,153.01 v1(211.12,144.76) v1(211.12,125.71) ; v1(23.16,142.22) v1(23.16,137.14)
/-A8: length 86.7
  Top w0.2: v1(140,139.68) 160.31,139.68 161.59,140.95 208.57,140.95 v1(209.84,142.22)
  Bottom w0.2: v1(140,139.68) 140,133.33 U8.3 ; X2.c27 v1(209.84,142.22)
/-A9: length 95.3
  Top w0.2: v1(143.81,138.41) 144.44,139.04 160.95,139.04 162.22,140.31 209.84,140.31 210.48,140.95 213.66,140.95 v1(213.66,144.76)
  Bottom w0.2: v1(143.81,138.41) 143.81,132.06 U8.13 ; v1(213.66,144.76) 213.66,153.65 X2.a28
/-A10: length 81.6
  Top w0.2: v1(151.43,137.14) 152.69,138.41 161.59,138.41 162.85,139.68 v1(212.39,139.68) ; v1(151.43,132.06) U9.3
  Bottom w0.2: v1(212.39,139.68) 213.66,140.95 213.66,143.49 212.39,143.49 X2.c28 ; v1(151.43,132.06) v1(151.43,137.14)
/-A11: length 86.5
  Top w0.2: v1(161.59,137.14) 163.49,139.04 211.12,139.04 211.75,138.41 213.02,138.41 214.29,139.68 v1(216.2,139.68) ; v1(161.59,130.79) 157.78,130.79 U9.13
  Bottom w0.2: v1(161.59,130.79) v1(161.59,137.14) ; X2.a29 214.92,154.28 216.2,153.01 216.2,148.57 214.92,148.57 214.92,143.49 216.2,143.49 v1(216.2,139.68)
/-A12: length 84.7
  Top w0.2: v1(164.12,137.14) 165.4,138.41 210.48,138.41 211.12,137.77 213.66,137.77 214.29,138.41 v1(220.01,138.41) ; U10.3 v1(164.12,132.06)
  Bottom w0.2: v1(220.01,138.41) 220.01,142.22 218.73,143.49 218.73,153.65 X2.a30 ; v1(164.12,132.06) v1(164.12,137.14)
/-A13: length 74.4
  Top w0.2: v1(220.01,130.79) 167.94,130.79 U10.13
  Bottom w0.2: X2.c30 218.1,149.2 218.1,142.85 218.73,142.22 218.73,132.06 v1(220.01,130.79) 219.69,131.11
/-A14: length 76.3
  Top w0.2: v1(222.54,135.87) 200.96,135.87 200.32,135.24 192.06,135.24 191.43,135.87 v1(171.75,135.87)
  Bottom w0.2: X2.a31 221.28,153.65 221.28,140.95 222.54,139.68 v1(222.54,135.87) ; v1(171.75,135.87) 170.47,134.6 170.47,133.33 U11.3
/-D0: length 190
  Top w0.2: v1(188.25,111.74) v1(173.01,111.74) 159.04,111.74 v1(157.78,113.01) ; v1(188.25,73.64) 187.62,74.27 184.44,74.27 183.81,74.91 178.1,74.91 U55.19 ; U40.15 146.98,106.66 148.25,107.93 152.06,107.93 153.33,106.66 U21.15
  Bottom w0.2: U21.15 157.78,107.93 v1(157.78,113.01) ; v1(173.01,111.74) 174.28,113.01 174.28,118.09 178.09,118.09 178.09,123.17 184.44,123.17 184.44,144.76 181.91,147.3 X2.c16 ; v1(188.25,111.74) 188.25,102.85 186.98,102.85 186.98,100.94 188.89,99.04 188.89,92.05 189.53,91.42 189.53,83.8 188.25,82.53 v1(188.25,73.64) ; U68.19 176.82,40.62 175.56,41.89 175.56,51.41 176.82,52.69 U56.19 176.82,58.4 175.56,59.67 175.56,72.37 175.56,72.37 U55.19
/-D1: length 171.9
  Top w0.2: v1(174.28,109.2) 173.65,109.83 171.11,109.83 170.47,110.47 150.16,110.47 U21.1 148.25,109.2 146.98,107.93 143.17,107.93 141.9,109.2 U40.1
  Bottom w0.2: X2.a17 184.44,154.28 183.18,153.01 183.18,148.57 185.08,146.66 185.08,122.53 179.37,122.53 179.37,116.82 174.92,116.82 174.92,109.83 v1(174.28,109.2) 174.28,104.12 173.01,104.12 173.01,95.23 174.28,95.23 174.28,87.61 173.01,86.34 173.01,74.9 U55.18 173.01,72.36 173.01,59.67 174.28,58.4 U56.18 174.28,52.69 173.01,51.41 173.01,41.89 174.28,40.62 U68.18
/-D2: length 162.5
  Top w0.2: U21.10 152.69,93.96 151.43,95.23 147.62,95.23 U40.10 ; v1(175.56,88.88) v1(157.78,88.88)
  Bottom w0.2: X2.a18 185.72,153.65 185.72,121.9 180,116.19 175.56,116.19 v1(175.56,88.88) ; v1(157.78,88.88) 157.78,92.69 U21.10 ; v1(173.01,88.88) 170.47,86.34 170.47,77.45 171.75,76.18 U55.17 171.75,67.29 170.47,66.02 170.47,59.67 171.75,58.4 U56.17 171.75,48.24 170.47,46.97 170.47,41.89 171.75,40.62 U68.17
/-D3: length 167.3
  Top w0.2: U40.9 147.62,90.15 155.23,90.15 U21.9 157.78,90.15 171.75,90.15 v1(173.01,91.42) 174.28,90.15 179.37,90.15 v1(180.63,88.88)
  Bottom w0.2: v1(173.01,91.42) 167.94,86.34 167.94,77.45 169.21,76.18 U55.16 169.21,66.66 167.94,65.38 167.94,57.12 U56.16 167.94,54.58 167.94,52.05 167.3,51.41 167.3,46.97 167.94,46.34 167.94,41.89 169.21,40.62 U68.16 ; v1(180.63,88.88) 180.63,92.69 179.37,92.69 179.37,95.23 180.63,95.23 180.63,97.77 178.09,97.77 178.09,115.55 180.63,115.55 186.35,121.27 186.35,149.2 X2.c18
/-D4: length 139.8
  Top w0.2: v1(180.63,106.66) U23.15 173.01,106.66 171.75,107.93 168.57,107.93 167.3,106.66 U22.15
  Bottom w0.2: v1(180.63,106.66) 179.37,107.93 179.37,110.47 181.91,113.01 181.91,115.55 186.98,120.63 186.98,147.94 188.25,149.2 188.25,153.65 X2.a19 ; U22.15 165.4,105.39 165.4,77.45 166.66,76.18 U55.15 166.66,66.02 165.4,64.75 165.4,57.12 U56.15 165.4,54.58 165.4,41.89 166.66,40.62 U68.15
/-D5: length 144.3
  Top w0.2: v1(180.63,109.2) 179.37,107.93 173.01,107.93 171.75,109.2 U23.1 168.57,109.2 167.3,107.93 164.12,107.93 v1(162.85,109.2) U22.1
  Bottom w0.2: U68.14 164.12,40.62 162.85,41.89 162.85,46.97 164.12,46.97 U56.14 164.12,57.13 162.85,58.4 162.85,64.75 164.12,64.75 U55.14 164.12,76.18 162.85,77.45 162.85,85.07 164.12,86.34 164.12,103.48 162.85,104.75 v1(162.85,109.2) ; v1(180.63,109.2) 183.18,111.74 183.18,115.55 187.62,119.99 187.62,147.3 189.53,149.2 X2.c19
/-D6: length 148.1
  Top w0.2: v1(185.72,95.23) 178.09,95.23 U23.10 173.01,93.96 171.75,95.23 167.94,95.23 U22.10 v1(161.59,93.96)
  Bottom w0.2: U68.13 161.59,40.62 160.31,41.89 160.31,54.58 U56.13 160.31,57.12 160.31,72.36 U55.13 160.31,74.9 160.31,92.69 v1(161.59,93.96) ; v1(185.72,95.23) 184.44,96.5 184.44,115.55 188.25,119.36 188.25,146.66 190.79,149.2 190.79,153.65 X2.a20
/-D7: length 259.3
  Top w0.2: v1(153.97,91.42) 155.23,92.69 161.59,92.69 162.85,91.42 U22.9 167.94,92.69 179.37,92.69 v1(180.63,93.96) 181.91,92.69 v1(186.98,92.69) ; v1(155.23,86.34) 143.81,86.34 142.53,85.07 132.38,85.07 129.2,88.24 92.37,88.24 91.73,87.61 89.19,87.61 87.93,88.88 v1(73.95,88.88)
  Bottom w0.2: v1(186.98,92.69) 186.98,98.41 185.72,99.67 185.72,107.93 186.98,109.2 186.98,111.74 185.72,113.01 185.72,115.55 188.89,118.72 188.89,146.03 192.06,149.2 X2.c20 ; U17.12 68.88,102.85 73.95,102.85 v1(73.95,88.88) ; U68.12 157.78,39.35 157.78,54.58 U56.12 157.78,57.12 157.78,72.36 U55.12 157.78,74.9 157.78,83.8 v1(155.23,86.34) 155.23,90.15 v1(153.97,91.42)
/-IO_0x20h: length 223.6
  Top w0.2: v1(174.28,102.85) 181.91,102.85 181.91,105.39 v1(198.41,105.39) ; v1(178.09,88.88) 176.82,87.61 v1(147.62,87.61) 146.34,88.88 133.65,88.88 133.01,89.52 93,89.52 92.37,90.15 70.14,90.15 v1(68.88,88.88) ; U13.12 221.28,123.17 v1(199.69,123.17) ; v1(174.28,96.5) U23.11 176.82,95.86
  Bottom w0.2: U40.11 147.62,95.23 v1(147.62,87.61) ; v1(68.88,88.88) 68.88,100.31 U17.11 ; v1(178.09,88.88) 178.09,94.59 176.82,95.86 U23.11 ; v1(174.28,102.85) v1(174.28,96.5) ; v1(199.69,123.17) 199.69,106.66 v1(198.41,105.39)
/-IO_0x21h: length 114.1
  Top w0.2: U21.11 157.14,96.5 158.41,95.23 162.22,95.23 163.49,96.5 U22.11 ; v1(179.37,132.06) 191.43,132.06 192.7,133.33 221.28,133.33 U13.13
  Bottom w0.2: v1(179.37,132.06) 178.09,133.33 178.09,135.87 173.65,135.87 171.11,133.33 171.11,107.3 170.47,106.66 170.47,95.23 167.94,95.23 U22.11
/-IO_0x30h-3Fh: length 236.4
  Top w0.2: v1(51.09,60.94) 122.22,60.94 122.22,79.99 v1(126.03,79.99) ; v1(209.84,119.36) 208.57,118.09 200.32,118.09 196.51,114.28 194.6,114.28 193.34,115.55 v1(126.03,115.55)
  Bottom w0.2: v1(51.09,60.94) 51.09,49.51 U59.3 ; v1(126.03,115.55) v1(126.03,79.99) ; U12.11 v1(209.84,119.36)
/IDI0: length 326.6
  Top w0.2: v1(122.22,27.92) 121.58,27.28 58.72,27.28 58.08,27.92 v1(52.36,27.92) ; U53.1 132.38,79.99 132.38,73 133.01,72.37 142.53,72.37 U54.4 145.07,72.37 179.37,72.37 v1(180.63,71.1) ; v1(214.92,83.8) 213.66,82.53 180.63,82.53 179.37,81.26 U55.1
  Bottom w0.2: v1(214.92,83.8) 214.92,79.97 213.66,78.7 214.92,77.45 214.92,77.45 214.92,24.11 U39.2 ; v1(122.22,27.92) 126.03,31.73 126.03,56.5 146.34,56.5 146.34,71.1 U54.4 ; v1(52.36,27.92) 52.36,43.16 U59.4 ; v1(180.63,71.1) 180.63,79.99 179.38,81.25 U55.1
/IDI1: length 312.5
  Top w0.2: v1(49.83,27.92) 52.36,25.38 58.08,25.38 58.72,26.01 129.84,26.01 v1(129.84,29.19) ; U53.2 136.82,78.72 138.09,79.99 v1(148.88,79.99) 175.56,79.99 U55.2 178.74,83.16 204.13,83.16 v1(204.76,83.8) ; v1(148.88,71.1) U54.5
  Bottom w0.2: v1(204.76,83.8) 204.76,79.97 203.5,78.7 204.76,77.45 204.76,77.45 204.76,24.09 U38.2 ; v1(49.83,27.92) 51.09,29.19 51.09,39.35 U59.6 ; v1(129.84,29.19) 129.84,54.59 150.16,54.59 150.16,59.67 148.88,59.67 v1(148.88,71.1) 150.16,72.37 150.16,78.72 v1(148.88,79.99)
/IDI2: length 291.3
  Top w0.2: v1(194.6,85.07) 193.34,83.8 176.82,83.8 176.82,83.79 U55.3 ; v1(57.44,26.65) 126.03,26.65 v1(127.29,27.92) ; v1(174.28,76.18) v1(153.97,76.18) 152.69,77.45 v1(147.62,77.45) 137.46,77.45 136.19,76.18 U53.3
  Bottom w0.2: v1(147.62,77.45) 147.62,55.22 127.29,55.22 v1(127.29,27.92) ; U37.2 194.6,24.09 194.6,77.45 194.6,77.45 193.34,78.7 194.6,79.97 v1(194.6,85.07) ; U55.3 v1(174.28,76.18) ; v1(57.44,26.65) 58.72,27.92 58.72,36.81 U59.10 ; U54.12 153.97,73.64 v1(153.97,76.18)
/IDI3: length 278
  Top w0.2: v1(185.72,85.07) 185.08,84.44 174.92,84.44 174.92,84.42 U55.4 ; U53.4 136.19,73.64 137.46,74.91 145.07,74.91 v1(146.34,73.64) U54.13 ; v1(124.75,27.92) 123.48,29.19 120.94,29.19 119.68,27.92 59.35,27.92 58.08,29.19 v1(56.17,29.19) ; v1(171.75,78.72) v1(153.97,78.72)
  Bottom w0.2: v1(153.97,78.72) 152.69,77.45 152.69,74.91 U54.13 ; 183.19,22.82 184.44,24.09 184.44,57.13 183.18,58.4 183.18,60.31 184.44,61.57 184.44,77.44 183.19,78.7 185.72,81.23 v1(185.72,85.07) ; U59.12 56.17,41.89 v1(56.17,29.19) ; v1(146.34,73.64) 146.98,73 146.98,55.86 126.66,55.86 126.66,29.82 v1(124.75,27.92) ; U55.4 v1(171.75,78.72)
